# Altium PCB 无线声量计.PcbDoc
Units mil, origin at the board's own origin, x right, y up, seen from the top; angles counter-clockwise.
Board outline 1890 x 2925 mil, 2 copper layers (Top Layer, Bottom Layer); 35 components, 31 nets, 95 pads, 0 vias.
Unrouted connection lines stored in the file: 7.
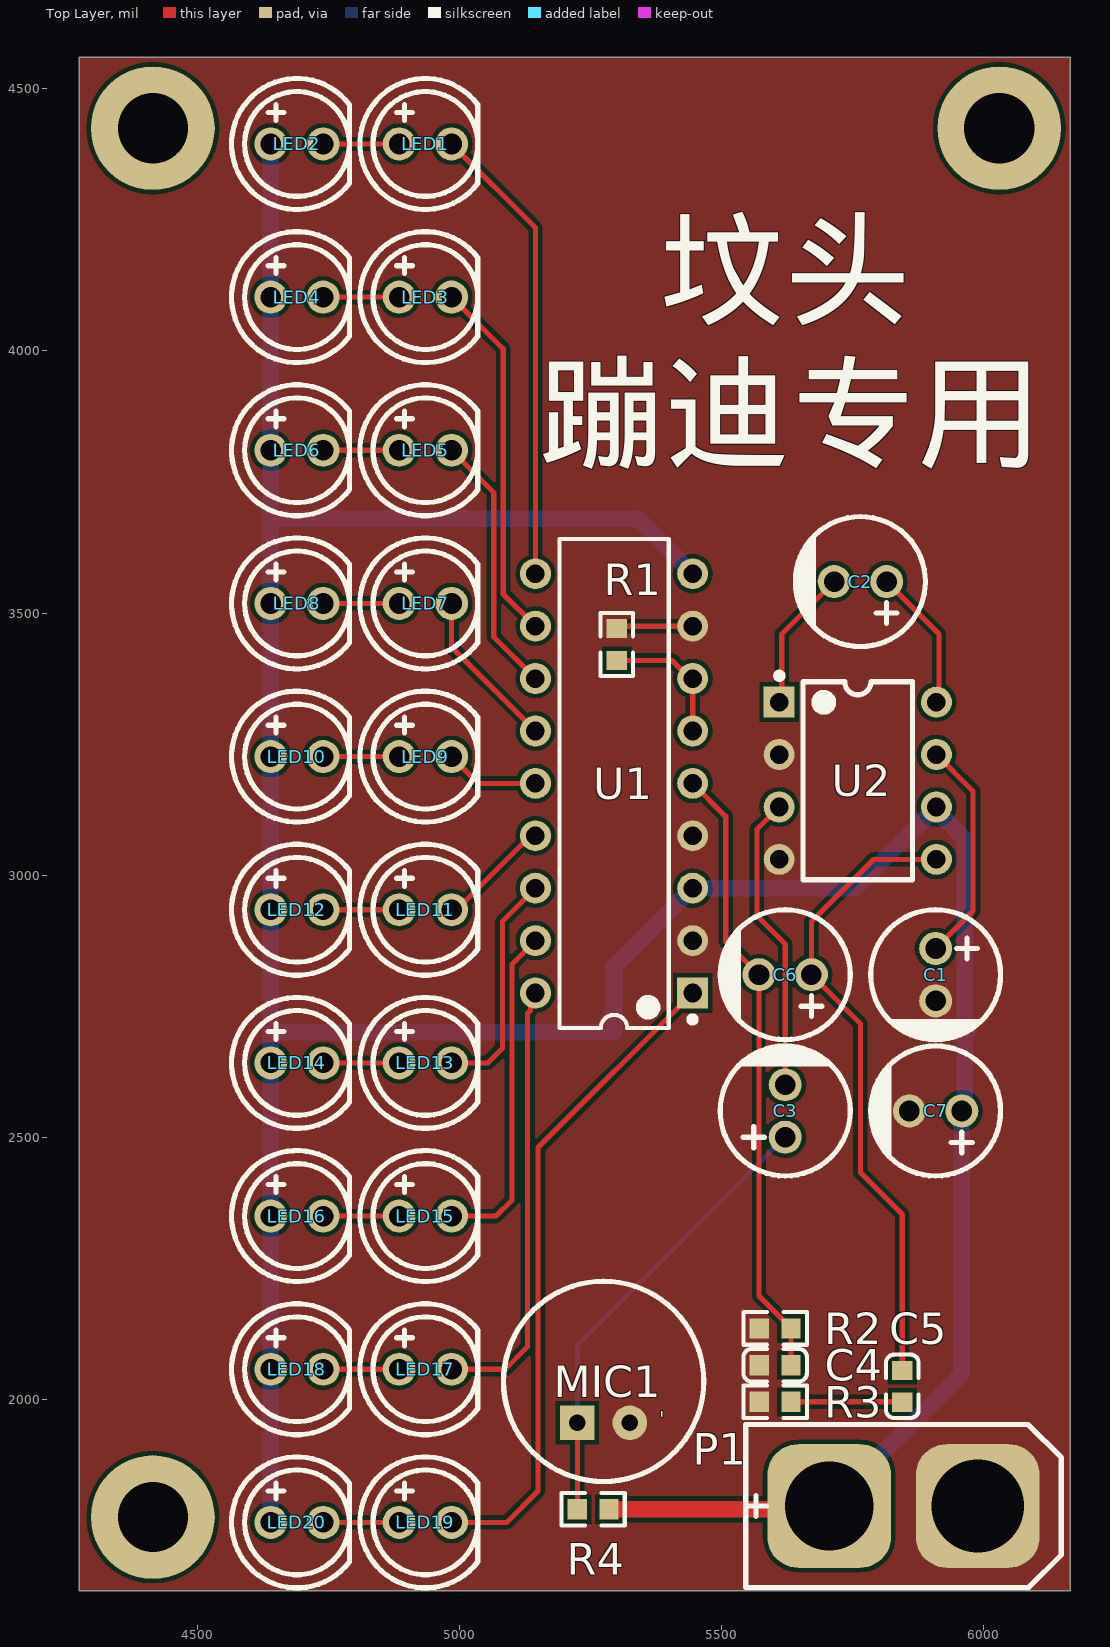
[diagram p0: Top Layer view]
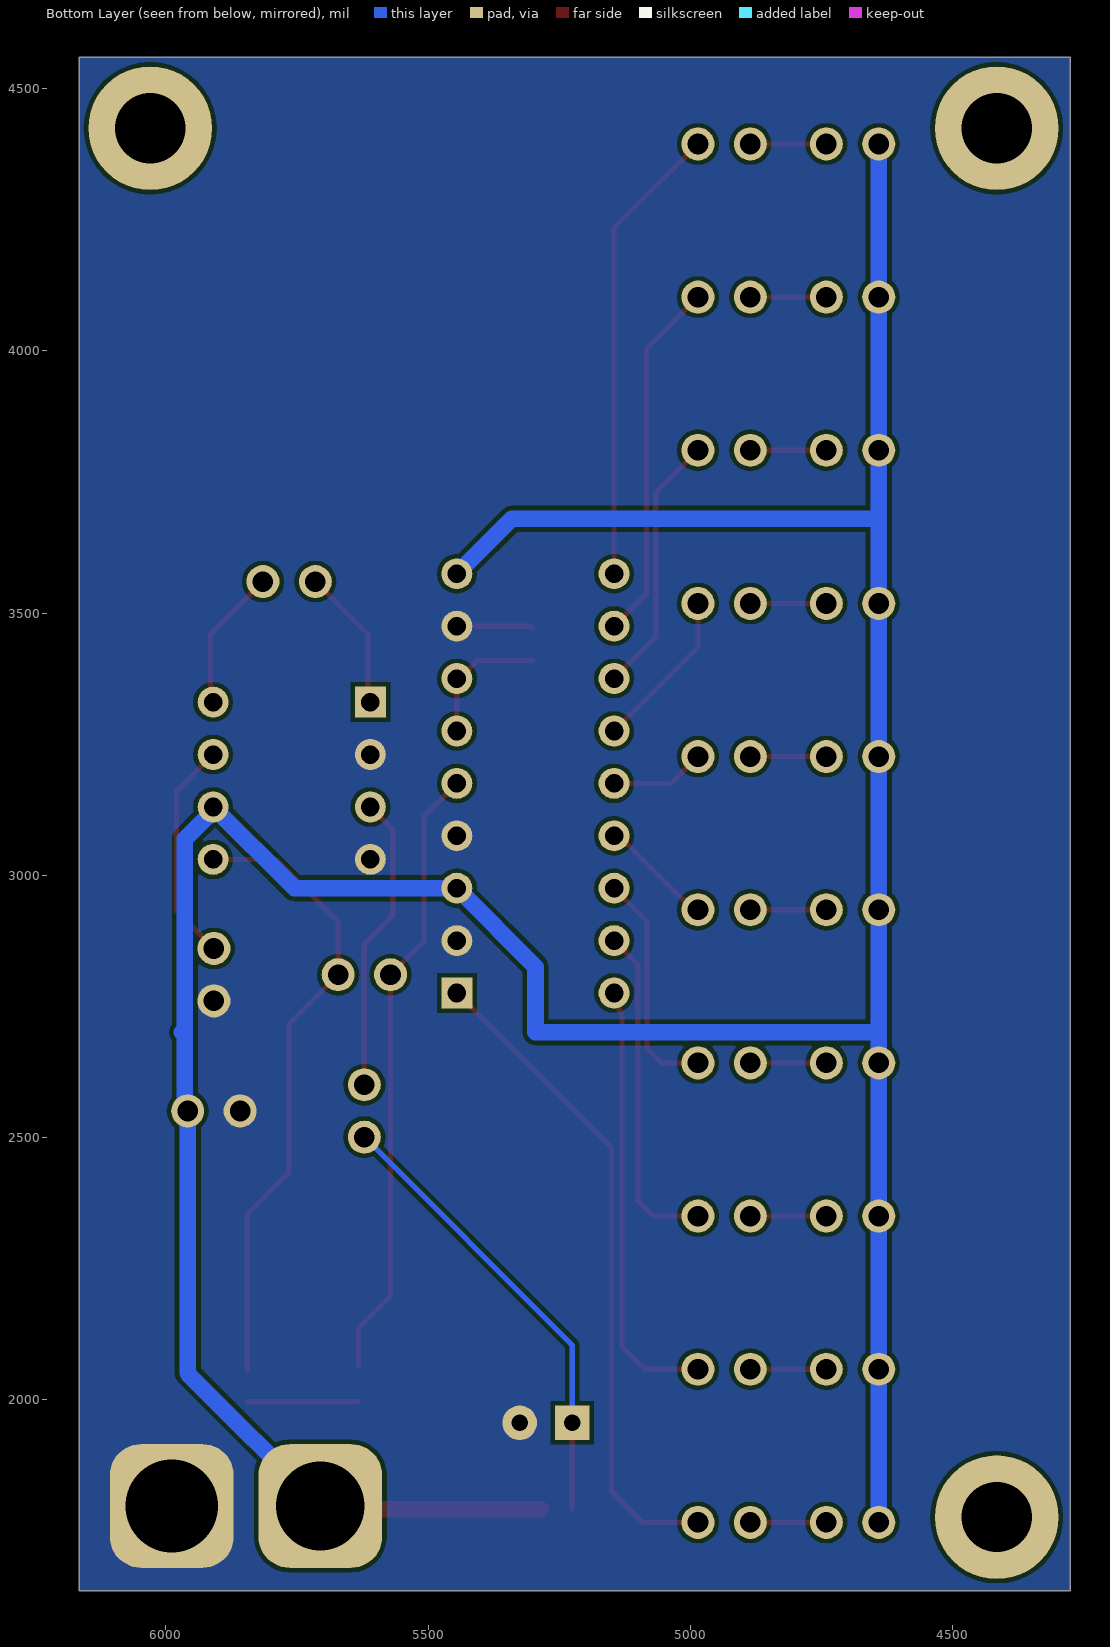
[diagram p1: Bottom Layer view, seen from below]

## Layer stack, top to bottom
Top Solder: solder mask 0.4, Solder Resist, Dk 3.5
Top Layer: signal copper 1.4
Dielectric 1: dielectric 12.6, FR-4, Dk 4.8
Bottom Layer: signal copper 1.4
Bottom Solder: solder mask 0.4, Solder Resist, Dk 3.5

## Board outline
4275,1635 4275,4560 6165,4560 6165,1635

## Design rules (kind name [scope] priority, off if disabled: settings)
Clearance [All] p1: gap=8 ignorepadtopadclearanceinfootprint=FALSE
PolygonConnect [All] p1: connectstyle=Direct reliefconductorwidth=10 reliefentries=4 polygonreliefangle="90 Angle" airgapwidth=10
RoomDefinition 无线声量计 [InComponentClass('无线声量计')] p1: confinementstyle=ConfineIn formatcopy=TRUE lockcomponents=FALSE outline 0,0 2000,0 2000,1000 0,1000
RoutingVias [All] p1: holewidth=28 width=50 viastyle="Through Hole" minholewidth=28 minwidth=50 maxholewidth=28 maxwidth=50
SolderMaskExpansion [All] p1: expansion=4 istentingtop=FALSE
Width [All] p1: maxlimit=100 minlimit=10 preferedwidth=10
30 further rules are at their usual default settings.

## Components (designator, comment, footprint, x,y, rotation, side; value= is the part's Value field where it differs from the comment)
C1 "4.7uF" CAP-6.3X6.3X12 5908.5,2810 r270 top
C2 "10uF" CAP-6.3X6.3X12 5765,3560 r180 top
C3 "10uF" CAP-6.3X6.3X12 5621.5,2550 r90 top
C4 "10nF" 0603_C 5602.07,2065 r180 top
C5 "47pF" 0603_C 5845,2025 r90 top
C6 "4.7uF" CAP-6.3X6.3X12 5621.5,2810 r180 top
C7 "100uF" CAP-6.3X6.3X12 5908.5,2550 r180 top
LED1 "LED" "LED 2.54mm 直插式 5mm" 4935,4395 r0 top
LED2 "LED" "LED 2.54mm 直插式 5mm" 4690,4395 r0 top
LED3 "LED" "LED 2.54mm 直插式 5mm" 4935,4102.78 r0 top
LED4 "LED" "LED 2.54mm 直插式 5mm" 4690,4102.78 r0 top
LED5 "LED" "LED 2.54mm 直插式 5mm" 4935,3810.56 r0 top
LED6 "LED" "LED 2.54mm 直插式 5mm" 4690,3810.56 r0 top
LED7 "LED" "LED 2.54mm 直插式 5mm" 4935,3518.33 r0 top
LED8 "LED" "LED 2.54mm 直插式 5mm" 4690,3518.33 r0 top
LED9 "LED" "LED 2.54mm 直插式 5mm" 4935,3226.11 r0 top
LED10 "LED" "LED 2.54mm 直插式 5mm" 4690,3226.11 r0 top
LED11 "LED" "LED 2.54mm 直插式 5mm" 4935,2933.89 r0 top
LED12 "LED" "LED 2.54mm 直插式 5mm" 4690,2933.89 r0 top
LED13 "LED" "LED 2.54mm 直插式 5mm" 4935,2641.67 r0 top
LED14 "LED" "LED 2.54mm 直插式 5mm" 4690,2641.67 r0 top
LED15 "LED" "LED 2.54mm 直插式 5mm" 4935,2349.44 r0 top
LED16 "LED" "LED 2.54mm 直插式 5mm" 4690,2349.44 r0 top
LED17 "LED" "LED 2.54mm 直插式 5mm" 4935,2057.22 r0 top
LED18 "LED" "LED 2.54mm 直插式 5mm" 4690,2057.22 r0 top
LED19 "LED" "LED 2.54mm 直插式 5mm" 4935,1765 r0 top
LED20 "LED" "LED 2.54mm 直插式 5mm" 4690,1765 r0 top
MIC1 "52DB" MIC-TH_BD9.7-P2.54-D0.8-L-FD 5275,1955 r0 top
P1 "XT30,XT60" XT60U-M 5546.01,1640.86 r0 top
R1 "1K" 0603_R 5300,3440 r270 top
R2 "2.2K" 0603_R 5602.39,2135 r180 top
R3 "10R" 0603_R 5602.39,1995 r0 top
R4 "100K" 0603_R 5255,1790 r180 top
U1 "LM3915" DIP-18 5295,3175 r180 top
U2 "LM386D" DIP-8 5760,3180 r0 top

## Footprints (in the part's own frame and the unit in brackets; to place one, negate y for a bottom-side part, rotate by r counter-clockwise, add the part's x,y. Pads: shape width x height; smd on the part's side, far side on the other; paste and mask are expansions set on the pad)
0603_C [mm] "SMD, 0603"
  rect 0.93x0.98 smd: 1(-0.778,0) 2(0.762,0)
  silkscreen extent -1.54,-0.79 1.53,0.79, body extent -0.81,-0.4 0.79,0.4, height 0.3
0603_R [mm] "SMD, 0603"
  rect 0.93x0.98 smd: 1(-0.77,0) 2(0.77,0)
  silkscreen extent -1.53,-0.79 1.54,0.79, body extent -0.85,-0.4 0.85,0.4, height 0.56
CAP-6.3X6.3X12 [mm]
  round 1.6 hole 1: 1(-1.27,0) 2(1.27,0)
  silkscreen extent -3.15,-3.15 3.17,3.15
DIP-8 [mm]
  rect 1.5x1.5 hole 0.9: 1(-3.81,3.81)
  round 1.5 hole 0.9: 2(-3.81,1.27) 3(-3.81,-1.27) 4(-3.81,-3.81) 5(3.81,-3.81) 6(3.81,-1.27) 7(3.81,1.27) 8(3.81,3.81)
  silkscreen extent -3.95,-4.8 2.65,5.24, body extent -3.93,-5.46 3.94,5.46, height 5.08
DIP-18 [mm]
  rect 1.5x1.5 hole 0.9: 1(-3.81,10.16)
  round 1.5 hole 0.9: 2(-3.81,7.62) 3(-3.81,5.08) 4(-3.81,2.54) 5(-3.81,0) 6(-3.81,-2.54) 7(-3.81,-5.08) 8(-3.81,-7.62) 9(-3.81,-10.16) 10(3.81,-10.16) 11(3.81,-7.62) 12(3.81,-5.08) 13(3.81,-2.54) 14(3.81,0) 15(3.81,2.54) 16(3.81,5.08) 17(3.81,7.62) 18(3.81,10.16)
  silkscreen extent -3.95,-11.85 2.65,11.85
"LED 2.54mm 直插式 5mm" [mm]
  round 1.6 hole 1: 1(-1.27,0) 2(1.27,0)
  silkscreen extent -3.17,-3.17 2.54,3.17
MIC-TH_BD9.7-P2.54-D0.8-L-FD [mil] "咪头-9X7mm 直插"
  rect 66x66 hole 31.4: 1(-50,0)
  round 66 hole 31.4: 2(50,0)
  silkscreen extent -191,-112 191,270
XT60U-M [mm]
  rrect50% 6x6 hole 4.3: 1(4.05,3.95)
  rrect50% 6x6 hole 4.5: 2(11.25,3.95)
  silkscreen extent 0,0 15.3,7.9, body extent -0.2,-0.15 15.7,8, height 17.78

## Part data
C1 C2 C3 C6 C7: library part CAP-TANTALUM, "Tantalum Capacitor"
C4 C5: library part CAP, "Capacitor"
MIC1: "咪头", BOM_JLCPCB Part Class="Extended Part", BOM_Manufacturer=INGHAi, BOM_Manufacturer Part=GMI9767P-30DB, BOM_Supplier=LCSC, BOM_Supplier Part=C234012, Contributor=LCSC, spicePre=M, spiceSymbolName=GMI9767P-30DB
P1: library part XT, "电源接口"
R1 R2 R3 R4: library part RES, "Resistor"
U1: "LED照明驱动器", BOM_JLCPCB Part Class="Extended Part", BOM_Manufacturer=XINLUDA(信路达), BOM_Manufacturer Part=XD3915, BOM_Supplier=LCSC, BOM_Supplier Part=C609778, Contributor=LCSC, spicePre=U, spiceSymbolName=XD3915
U2: "音频功率放大器", BOM_JLCPCB Part Class="Extended Part", BOM_Manufacturer="HTC Korea TAEJIN Tech", BOM_Manufacturer Part=LM386D, BOM_Supplier=LCSC, BOM_Supplier Part=C510560, Contributor=LCSC, spicePre=U, spiceSymbolName=LM386D

## Free pads (board coordinates)
  round 236.22 hole 133.86: 2(4415,1775) 2(4415,4425) 2(6030,4425)

## Nets (pads, with @x,y where several pads share a name; then routed paths per layer and width w, separated by ;. In a path a pad name is that pad's centre, name@x,y a point inside that pad or via, vN(x,y) a via of type N, cw(c..) or ccw(c..) an arc to the next point about the centre after c; other vN are vias at no path point)
GND: C1.2 C4.2 C7.2 MIC1.2 P1.2 R1.1 R2.2 R3.1 U1.2 U1.4 U1.8 U2.2 U2.4 | length 146.9
  Top Layer w10: R1.1 5304.69,3475 U1.8
NetC1_1: C1.1 U2.7 | length 428.6
  Top Layer w10: C1.1 5980,2931.5 5980,3160 U2.7
NetC2_1: C2.1 U2.8 | length 256.9
  Top Layer w10: C2.1 5915,3460 U2.8@5915,3344.49
NetC2_2: C2.2 U2.1 | length 256.9
  Top Layer w10: U2.1@5615,3344.49 5615,3460 C2.2
NetC3_1: C3.1 MIC1.1 R4.2 | length 874.4
  Top Layer w10: R4.2 5225,1790.32 MIC1.1
  Bottom Layer w10: MIC1.1 5225,2103.5 C3.1
NetC3_2: C3.2 U2.3 | length 570
  Top Layer w10: U2.3 5567.47,3087.47 5567.47,2922.53 5621.5,2868.5 C3.2
NetC4_1: C4.1 C6.2 R2.1 U1.5 | length 1187.7
  Top Layer w10: U1.5 5507.87,3112.13 5507.87,2873.62 C6.2 5571.5,2197.19 5632.7,2135.98 R2.1 C4.1
NetC5_1: C5.1 R3.2 | length 212.6
  Top Layer w10: R3.2 5844.37,1995 C5.1
NetC5_2: C5.2 C6.1 U2.5 | length 1229.2
  Top Layer w10: C5.2 5845,2352.4 5765,2432.4 5765,2716.5 C6.1 5671.5,2911.5 5790,3030 U2.5 U2.5@5900.61,3020.61
NetLED1_1: LED1.1 LED2.2 | length 145
  Top Layer w10: LED2.2 LED1.1
NetLED1_2: LED1.2 U1.10 | length 886.3
  Top Layer w10: LED1.2 5145,4235 U1.10
NetLED3_1: LED3.1 LED4.2 | length 145
  Top Layer w10: LED4.2 LED3.1
NetLED3_2: LED3.2 U1.11 | length 694.1
  Top Layer w10: LED3.2 5083.38,4004.4 5083.38,3536.62 U1.11
NetLED5_1: LED5.1 LED6.2 | length 145
  Top Layer w10: LED6.2 LED5.1
NetLED5_2: LED5.2 U1.12 | length 501.8
  Top Layer w10: LED5.2 5065.38,3730.18 5065.38,3454.62 U1.12
NetLED7_1: LED7.1 LED8.2 | length 145
  Top Layer w10: LED8.2 LED7.1
NetLED7_2: LED7.2 U1.13 | length 309.6
  Top Layer w10: LED7.2 4985,3435 U1.13
NetLED9_1: LED9.1 LED10.2 | length 145
  Top Layer w10: LED10.2 LED9.1
NetLED9_2: LED9.2 U1.14 | length 181.2
  Top Layer w10: LED9.2 5036.11,3175 U1.14
NetLED11_1: LED11.1 LED12.2 | length 145
  Top Layer w10: LED12.2 LED11.1
NetLED11_2: LED11.2 U1.15 | length 218.5
  Top Layer w10: LED11.2 4994.44,2933.89 5135.56,3075 U1.15
NetLED13_1: LED13.1 LED14.2 | length 145
  Top Layer w10: LED14.2 LED13.1
NetLED13_2: LED13.2 U1.16 | length 440
  Top Layer w10: LED13.2 5054.02,2641.67 5082,2669.64 5082,2912 U1.16
NetLED15_1: LED15.1 LED16.2 | length 145
  Top Layer w10: LED16.2 LED15.1
NetLED15_2: LED15.2 U1.17 | length 641.5
  Top Layer w10: LED15.2 5069.8,2349.44 5100,2379.64 5100,2830 U1.17
NetLED17_1: LED17.1 LED18.2 | length 145
  Top Layer w10: LED18.2 LED17.1
NetLED17_2: LED17.2 U1.18 | length 843.9
  Top Layer w10: LED17.2 5087.22,2057.22 5130,2100 5130,2735.83 5135.61,2741.44 5135.61,2765.61 U1.18
NetLED19_1: LED19.1 LED20.2 | length 145
  Top Layer w10: LED20.2 LED19.1
NetLED19_2: LED19.2 U1.1 | length 1262.3
  Top Layer w10: LED19.2 5090.36,1765 5150,1824.64 5150,2480 U1.1
NetR1_2: R1.2 U1.6 U1.7 | length 259.4
  Top Layer w10: R1.2 5405.83,3409.68 5440.51,3375 U1.7 U1.6
VCC: C7.1 LED2.1 LED4.1 LED6.1 LED8.1 LED10.1 LED12.1 LED14.1 LED16.1 LED18.1 LED20.1 P1.1 R4.1 U1.3 U1.9 U2.6 | length 6914.5
  Top Layer w32: R4.1 5699.08,1790 P1.1 P1.1@5682.16,1796.38
  Bottom Layer w32: LED20.1 LED18.1 LED16.1 LED14.1 4640,2700 ; LED2.1 LED4.1 LED6.1 4640,3680 ; U1.9 5340,3680 4640,3680 ; P1.1 5958.5,2049.42 C7.1 5964,2555.5 5964,2700 ; 5969.5,2700 5964,2700 ; 4640,2700 5295,2700 5295,2825 U1.3 5755,2975 U2.6 5910,3122.68 5964,3068.68 5964,2700 ; 4640,2700 LED12.1 LED10.1 LED8.1 4640,3680

## Polygon pours and split planes (outlines as drawn)
GND on Bottom Layer "GND_L02_P000" (solid, pour order 0): 4275,1635 4275,4560 6165,4560 6165,1635
GND on Top Layer "GND_L01_P001" (solid, pour order 1): 4275,1635 4275,4560 6165,4560 6165,1635

## Silkscreen, mask and mechanical layers (free items; w line width, h text height)
Top Overlay:
  text "坟头" at 5381.28,4012.94 h300
  text "蹦迪专用" at 5151.28,3739.05 h300
Mechanical 1:
  the board outline again, w10

## Text inside footprints (layer, text, board x,y; h text height)
MIC1: Top Overlay "-" at 5375,1979 h30 r270